# KiCad board R-PCBA-VPEG-PWR.kicad_pcb (continued)
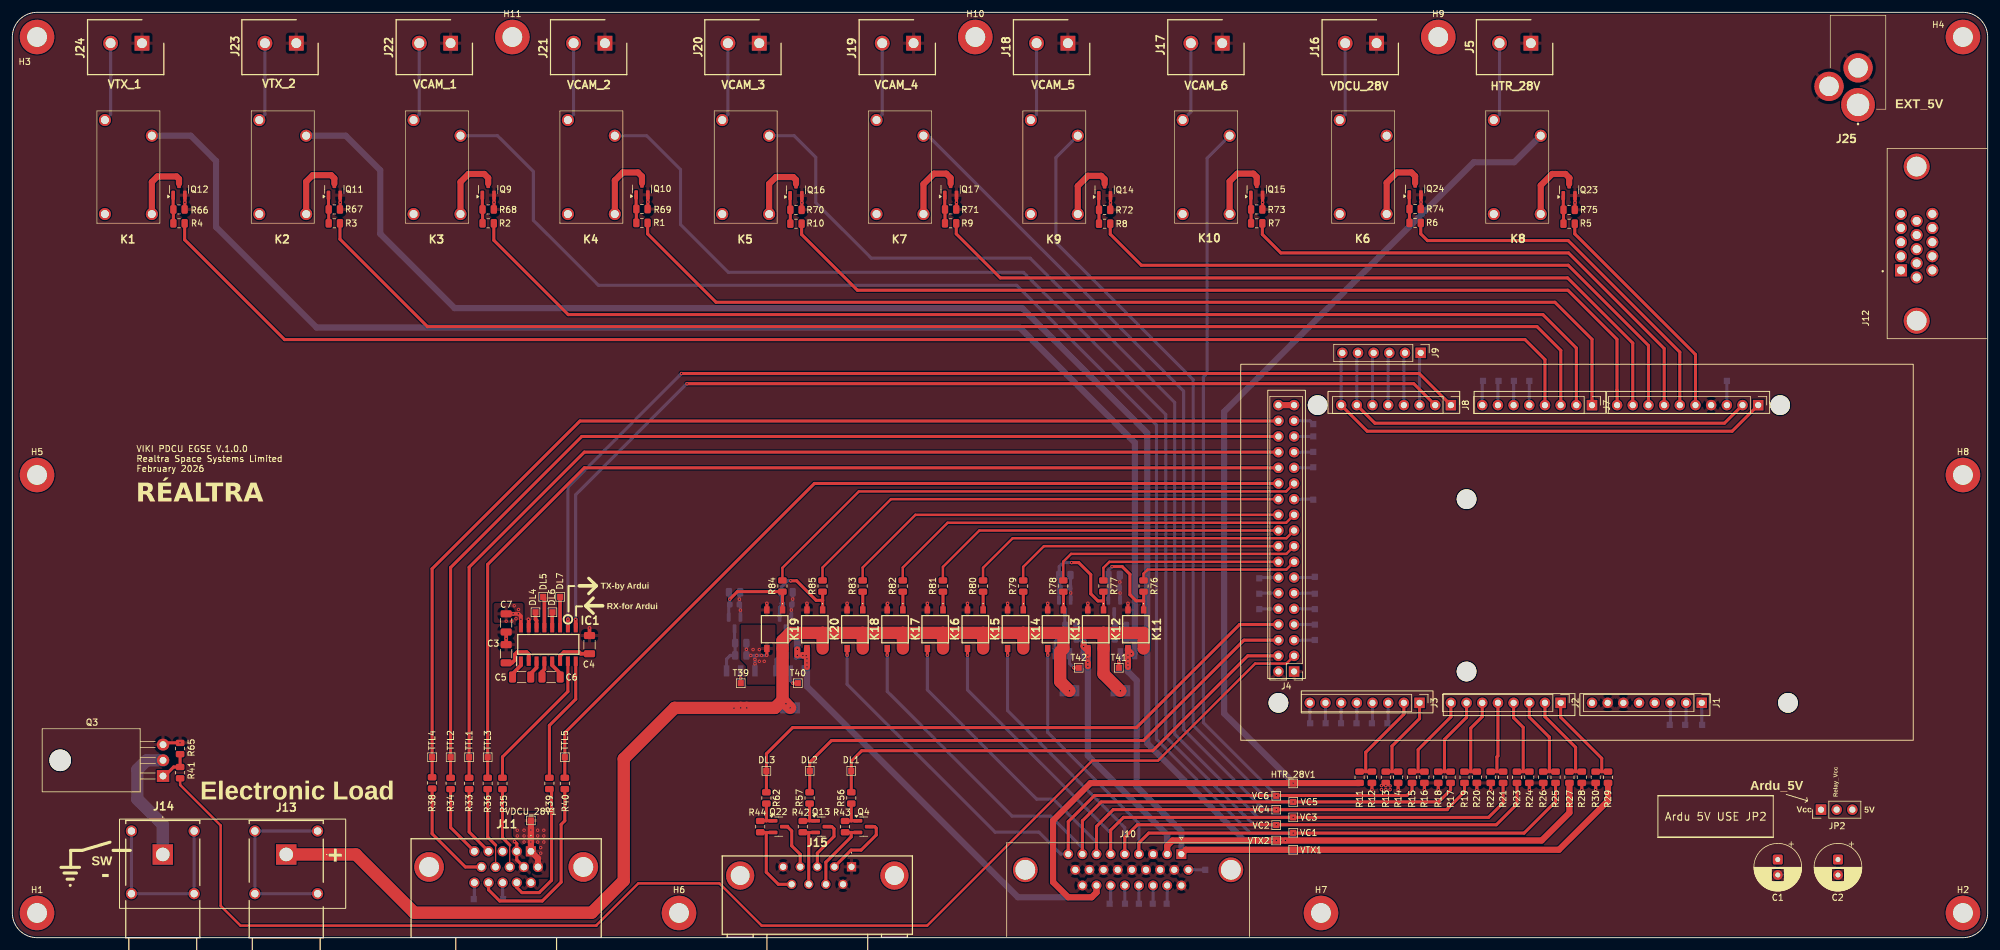
[diagram p0: board, top side]
## Routing (per net, layer and track width the routed paths; a pad name or vN(x,y) marks a point on that pad's centre or on a via; arc(x,y) is an arc through that point) (continued)
K3: length 4.6
  L1 (Sig, GND) w0.5: R2.2 R68.1 76.14,118.09 Q9.1
K4: length 4.6
  L1 (Sig, GND) w0.5: R1.2 R69.1 101.05,118.15 Q10.1
K5: length 4.6
  L1 (Sig, GND) w0.5: Q16.1 126,118.03 R70.1 R10.2
K6: length 4.6
  L1 (Sig, GND) w0.5: R9.2 R71.1 151.05,118.09 Q17.1
K7: length 4.6
  L1 (Sig, GND) w0.5: Q14.1 176,118.03 R72.1 R8.2
K8: length 4.6
  L1 (Sig, GND) w0.5: Q15.1 200.64,118.09 200.68,118.05 200.68,115.8
K9: length 4.6
  L1 (Sig, GND) w0.5: Q24.1 226.3,118.15 R74.1 R6.2
K10: length 4.6
  L1 (Sig, GND) w0.5: Q23.1 251.25,118.03 R75.1 R5.2
K11: length 26.3
  L1 (Sig, GND) w0.4: R76.2 183.25,59 183.92,59.67 206.39,59.67 J4.15
K12: length 30.8
  L1 (Sig, GND) w0.4: R77.2 176.75,59.95 177.73,60.93 J4.16
K13: length 41.5
  L1 (Sig, GND) w0.4: R78.2 170.25,60.95 171.51,62.21 206.39,62.21 J4.17
K14: length 44.9
  L1 (Sig, GND) w0.4: J4.18 167.12,63.47 163.75,60.1 R79.2
K15: length 54.9
  L1 (Sig, GND) w0.4: R80.2 157.25,59.95 162.05,64.75 206.39,64.75 J4.19
K16: length 59
  L1 (Sig, GND) w0.4: R81.2 150.75,60.1 156.65,66 J4.20
K17: length 69
  L1 (Sig, GND) w0.4: 207.64,68.54 206.36,67.26 151.51,67.26 144.25,60 R82.2
K18: length 73
  L1 (Sig, GND) w0.4: 205.11,68.54 146.3,68.54 137.75,60 R83.2
K19: length 90.6
  L1 (Sig, GND) w0.4: R84.2 124.75,59.95 137.14,72.34 206.36,72.34 J4.25
K20: length 80.5
  L1 (Sig, GND) w0.4: R85.2 131.25,60 142.33,71.09 J4.24
Relay_VCC: length 0.4
  L1 (Sig, GND) w1: 295.8,12.71 C2.1
  L3 (PWR) w1: 295.75,20.54 JP2.2 ; 295.8,12.71 C2.1
RS232_RX_IN: length 20.8
  L1 (Sig, GND) w0.5: 87,25.82 87,34.4 91.27,38.67 IC1.8
RS232_TX_OUT: length 23.4
  L1 (Sig, GND) w0.5: IC1.7 90,39.9 79.4,29.3 79.4,25.82
Selector Out: length 219
  L1 (Sig, GND) w2: K15.4 157.27,49.4 ; 157.27,49.4 150.75,49.4 ; 157.27,49.4 163.76,49.4 ; 124.77,38.48 v1(125.32,37.93) v1(126,37.25) ; 124.77,38.48 K19.4 124.77,48.17 126,49.4 131.28,49.4 ; 124.77,38.48 123.54,37.25 v1(118.98,37.25) v1(118,37.25) 107.3,37.25 99.05,29 99.05,9.25 93.85,4.05 65.1,4.05 55.66,13.49 J13.1 ; 150.75,49.4 150.77,49.38 K16.4 ; 150.75,49.4 144.28,49.4 ; 163.76,49.4 163.77,49.39 K14.4 ; 163.76,49.4 170.27,49.4 ; 131.28,49.4 131.27,49.39 K20.4 ; 131.28,49.4 137.77,49.4 ; K11.4 183.27,49.4 176.76,49.4 ; 176.76,49.4 176.77,49.39 K12.4 176.77,42.75 v1(179.5,40.02) ; 176.76,49.4 170.27,49.4 ; K18.4 137.77,49.4 ; 137.77,49.4 144.28,49.4 ; 144.28,49.4 144.27,49.39 K17.4 ; 170.27,49.4 K13.4 169.75,46.35 169.75,41.52 v1(171.25,40.02)
  vias: v1(116.9,37.2)
TTL1: length 173
  L1 (Sig, GND) w0.5: J4.30 92.66,78.71 74,60.05 TTL1.1 R33.1
TTL2: length 177
  L1 (Sig, GND) w0.5: R34.1 TTL2.1 71,60 92.25,81.25 J4.32
TTL3: length 169.3
  L1 (Sig, GND) w0.5: 77,25.82 TTL3.1 77,60.5 92.66,76.16 205.11,76.16
TTL4: length 180.8
  L1 (Sig, GND) w0.5: 205.11,83.78 205.07,83.75 91.95,83.75 68,59.8 TTL4.1 R38.2
TTL5: length 139.7
  L1 (Sig, GND) w0.5: 89.5,25.82 TTL5.1 89.5,33.2 129.93,73.62 J4.26
VCAM_1_28V: length 330.8
  L1 (Sig, GND) w0.5: R25.2 250,22.05 244.9,16.95 v1(207.51,16.95) 184.1,16.95 182.5,15.36 J10.4 ; K13.3 v1(167.73,45.8)
  L4 (Sig, GND) w0.5: v1(207.51,16.95) 200.55,16.95 185.35,32.15 185.35,83.1 162.7,105.75 94.95,105.75 84.4,116.3 84.4,124.2 78.6,130 K3.3 ; v1(167.73,45.8) 167.73,33.27 182.5,18.5 J10.4
VCAM_2_28V: length 302.4
  L1 (Sig, GND) w0.5: R23.2 243.75,21.65 240.4,18.3 v1(204.76,18.3) 182.25,18.3 180.21,16.26 J10.5 ; K14.3 v1(161.23,45.8)
  L4 (Sig, GND) w0.5: J10.5 180.21,17.84 161.23,36.82 v1(161.23,45.8) ; K4.3 102.75,130 108.25,124.5 108.25,115.6 116,107.85 163.8,107.85 186.85,84.8 186.85,32.55 201.1,18.3 v1(204.76,18.3)
VCAM_3_28V: length 281.9
  L1 (Sig, GND) w0.5: K15.3 v1(154.73,45.8) ; R21.2 241.5,21.85 239.15,19.5 v1(207.5,19.5) 180,19.5 177.93,17.43 J10.6
  L4 (Sig, GND) w0.5: J10.6 177.93,16.97 154.73,40.17 v1(154.73,45.8) ; K5.3 126.65,130 130.15,126.5 130.15,119.15 139.15,110.15 164.9,110.15 188.3,86.75 188.3,33 201.8,19.5 v1(207.5,19.5)
VCAM_4_28V: length 248.6
  L1 (Sig, GND) w0.5: 232.5,20.75 v1(204.76,20.75) 178.35,20.75 175.63,18.03 J10.7 ; R19.2 235.25,23.65 232.5,20.9 ; K16.3 v1(148.23,45.8)
  L4 (Sig, GND) w0.5: K7.3 148.35,130 189.75,88.6 189.75,33.75 202.75,20.75 v1(204.76,20.75) ; J10.7 175.63,15.47 168.65,22.45 165.95,22.45 148.23,40.17 v1(148.23,45.8)
VCAM_5_28V: length 246
  L1 (Sig, GND) w0.5: J10.8 173.35,18.94 176.4,22 v1(207.49,22) 231.05,22 233,23.95 R17.2 ; K17.3 v1(141.73,45.8)
  L4 (Sig, GND) w0.5: v1(207.49,22) 203.7,22 191.3,34.4 191.3,90.45 169.05,112.7 169.05,126.45 K9.3 ; v1(141.73,45.8) 141.73,39.92 161.95,19.7 168.2,19.7 173.35,14.56 J10.8
VCAM_6_28V: length 230.9
  L1 (Sig, GND) w0.5: R15.2 226.75,23.85 225.95,23.05 v1(204.76,23.05) 175.3,23.05 171.06,18.81 J10.9 ; K18.3 v1(135.23,45.8)
  L4 (Sig, GND) w0.5: J10.9 169.86,13.54 166.3,17.1 159.2,17.1 135.23,41.07 v1(135.23,45.8) ; K10.3 193.55,126.35 193.55,91.5 192.95,90.9 192.95,34.86 v1(204.76,23.05)
VDCU_28V: length 17.1
  L1 (Sig, GND) w0.5: K19.3 122.23,45.83 v1(122.2,45.8) ; v1(222.5,24.67) R13.2
  L1 (Sig, GND) w1: J11.6 85.15,12.85 J11.1 v1(84.01,15.5) 84.01,16.49 v1(84,16.5) 84.01,16.51 v1(84.01,17.45) 84.01,18.74 84,18.75
  L4 (Sig, GND) w0.5: R109.2 v1(118.91,46.74) R110.2 v1(119.63,45.75) 120.3,45.75 ; 120.3,45.75 Q27.3 ; 120.3,45.75 122.15,45.75 v1(122.2,45.8)
  vias: v1(81.8,17.42) v1(81.8,16.49) v1(82.9,17.42) v1(82.9,16.49) v1(82.9,15.5) v1(85.1,17.42) v1(85.1,16.49) v1(85.1,15.5) v1(85.6,14.6) v1(85.6,13.7) v1(86.1,17.42) v1(86.1,16.49) v1(86.1,15.5) v1(120,46.7) v1(120.3,45.1) v1(120.3,44.4) v1(120.6,45.75) v1(121,46.7) v1(121,44.8) v1(121.4,45.75) v1(121.8,44.8) v1(221.8,24.65) v1(221.8,24) v1(222.5,24) v1(223.2,24.6) v1(223.2,24)
VTX_1_28V: length 338.2
  L1 (Sig, GND) w1: v1(180.73,43.89) v1(180.73,44.5) v1(180.73,45.13) ; 207.8,14.25 250.55,14.25 258.5,22.2 R29.2 ; VTX1.1 190.08,14.25 J10.1 ; v1(181.29,46.02) 180.73,46.58 K11.3 v1(180.73,45.8)
  L4 (Sig, GND) w1: v1(180.73,43.89) 180.73,43.12 182.15,41.7 182.15,24.5 189.38,17.28 J10.1 ; R116.2 R117.2 181.33,48.52 ; 181.33,48.52 181.8,48.05 Q32.3 v1(181.29,46.02) 180.95,46.02 v1(180.73,45.8) v1(180.73,45.13) ; 181.33,48.52 181.37,48.52 181.85,49 181.85,80.25 163.2,98.9 49.3,98.9 33,115.2 33,125.9 28.9,130 K1.3
VTX_2_28V: length 360.4
  L1 (Sig, GND) w1: v1(204.76,15.75) 187.95,15.75 187.08,14.88 J10.2 ; v1(174.23,45.8) K12.3 173.88,46.88 v1(173.55,47.2) 173.55,47.7 ; R27.2 252.25,20.25 247.75,15.75 v1(206.23,15.75) v1(205.5,15.75) VTX2.1 ; v1(174.23,43.99) v1(174.23,44.59)
  L4 (Sig, GND) w1: v1(174.23,43.99) 174.23,29.52 187.08,16.66 J10.2 ; v1(174.23,44.59) v1(174.23,45.2) v1(174.23,45.8) 173.77,45.8 Q34.3 v1(173.55,47.2) v1(173.55,47.89) 173.55,48.05 173.1,48.5 R119.2 R120.2 ; v1(205.5,15.75) v1(204.76,15.75) v1(204.11,15.75) v1(203.52,15.75) 199.6,15.75 183.85,31.5 183.85,81.8 163.6,102.05 71.65,102.05 59.6,114.1 59.6,124.4 54,130 K2.3
Net-(IC1-C1+): length 3.1
  L1 (Sig, GND) w0.6: IC1.1 82.38,44.13 81.03,42.78 C5.1
Net-(IC1-C1-): length 3
  L1 (Sig, GND) w0.6: C5.2 83.97,42.82 84.92,43.77 IC1.3
Net-(IC1-C2+): length 2.7
  L1 (Sig, GND) w0.6: C6.1 85.8,43.1 86.19,43.49 IC1.4
Net-(IC1-C2-): length 3.1
  L1 (Sig, GND) w0.6: C6.2 88.75,42.85 87.46,44.14 IC1.5
Net-(IC1-DIN1): length 5
  L1 (Sig, GND) w0.6: DL7.1 88.73,55.23 IC1.11
Net-(IC1-DOUT1): length 2.6
  L1 (Sig, GND) w0.6: DL4.1 84.75,51.6 84.92,51.43 IC1.14
Net-(IC1-RIN1): length 5.1
  L1 (Sig, GND) w0.6: DL5.1 86.19,55.06 IC1.13
Net-(IC1-ROUT1): length 2.5
  L1 (Sig, GND) w0.6: DL6.1 87.46,52.71 IC1.12
Net-(IC1-VS+): length 6.2
  L1 (Sig, GND) w0.6: C3.1 80.95,44.55 81.4,45 81.4,45.9 81.8,46.3 83.3,46.3 83.65,45.95 IC1.2
Net-(IC1-VS-): length 6
  L1 (Sig, GND) w0.6: C4.1 92.07,46.03 91.8,46.3 89.35,46.3 88.73,45.68 IC1.6
Net-(J1-Pin_1): length 3.6
  L4 (Sig, GND) w0.5: J1.1 273.69,34.56 T15.1
Net-(J4-Pin_10): length 3.1
  L4 (Sig, GND) w0.5: T33.1 202.06,53.31 J4.10
Net-(J4-Pin_12): length 3.1
  L4 (Sig, GND) w0.5: J4.12 202.1,55.84 T34.1
Net-(J4-Pin_14): length 3.2
  L4 (Sig, GND) w0.5: T35.1 202.13,58.38 205.11,58.38
Net-(J4-Pin_33): length 3.3
  L4 (Sig, GND) w0.5: 207.64,83.78 210.21,83.78 T13.1
Net-(J7-Pin_5): length 3.9
  L4 (Sig, GND) w0.5: T11.1 245.75,90.25 J7.5
Net-(J7-Pin_6): length 3.9
  L4 (Sig, GND) w0.5: J7.6 243.2,90.21 T12.1
Net-(J10-Pin_10): length 2.7
  L4 (Sig, GND) w0.5: J10.10 T6.1
Net-(J10-Pin_20): length 3
  L4 (Sig, GND) w0.5: J10.20 187.08,5.59 T5.1
Net-(J10-Pin_21): length 3
  L4 (Sig, GND) w0.5: T4.1 184.8,5.54 J10.21
Net-(J10-Pin_22): length 3
  L4 (Sig, GND) w0.5: J10.22 182.5,5.5 T3.1
Net-(J10-Pin_23): length 3
  L4 (Sig, GND) w0.5: T2.1 180.21,5.53 J10.23
Net-(J10-Pin_24): length 3
  L4 (Sig, GND) w0.5: T1.1 177.93,5.68 J10.24
Net-(J11-Pad4): length 11.4
  L1 (Sig, GND) w0.5: J11.4 74,17.14 R33.2
Net-(J11-Pad5): length 11.7
  L1 (Sig, GND) w0.5: J11.5 71,17.85 R34.2
Net-(J11-Pad8): length 13
  L1 (Sig, GND) w0.2: 80.6,15 80.57,14.97 J11.8
  L1 (Sig, GND) w0.5: 80.6,15 79.4,16.2 79.4,24
Net-(J11-Pad9): length 13.1
  L1 (Sig, GND) w0.2: 78.3,15 78.28,14.98 J11.9
  L1 (Sig, GND) w0.5: 78.3,15 77,16.3 77,24
Net-(J11-Pad10): length 17.6
  L1 (Sig, GND) w0.5: R38.1 68,16.85 73.39,11.46 J11.10
Net-(J11-Pad12): length 22.5
  L1 (Sig, GND) w0.5: R39.1 87,24 87.35,23.65 87.35,9.3 85.35,7.3 82.55,7.3 81.72,8.13 J11.12
Net-(J11-Pad13): length 2.7
  L4 (Sig, GND) w0.5: J11.13 79.43,6.32 T9.1
Net-(J11-Pad14): length 30.2
  L1 (Sig, GND) w0.5: 89.5,24 89.5,18.95 88.9,18.35 88.9,9 85.85,5.95 78.95,5.95 77.14,7.76 J11.14
Net-(J11-Pad15): length 2.7
  L4 (Sig, GND) w0.5: T10.1 74.85,6.35 J11.15
Net-(J13-Pad2): length 30.5
  L4 (Sig, GND) w0.5: J13.3 J13.4 J13.5 J13.2
Net-(J14-Pad2): length 30.5
  L4 (Sig, GND) w0.5: J14.4 J14.3 J14.2 J14.5
Net-(K13-A): length 3
  L1 (Sig, GND) w0.5: R78.1 170.27,56.07 K13.1
Net-(K14-A): length 3
  L1 (Sig, GND) w0.5: R79.1 163.77,56.07 K14.1
Net-(K15-A): length 3
  L1 (Sig, GND) w0.5: R80.1 157.27,56.07 K15.1
Net-(K16-A): length 3
  L1 (Sig, GND) w0.5: R81.1 150.77,56.07 K16.1
Net-(K17-A): length 3
  L1 (Sig, GND) w0.5: K17.1 144.27,56.07 R82.1
Net-(K18-A): length 3
  L1 (Sig, GND) w0.5: K18.1 137.77,56.07 R83.1
Net-(Q3-D): length 20.2
  L4 (Sig, GND) w2: Q3.2 21.75,28.75 20.25,27.25 20.25,22.45 24.37,18.33 J14.1
Net-(Q3-G): length 5.5
  L1 (Sig, GND) w0.5: R65.1 R41.2 26.13,27.66 24.68,26.21 Q3.1
Net-(Q4-G): length 4.9
  L1 (Sig, GND) w0.5: 135.92,18.95 134.94,18.95 R43.1 ; 135.92,18.95 135.9,18.96 R56.1 ; 135.92,18.95 Q4.1
Net-(Q13-G): length 4.9
  L1 (Sig, GND) w0.5: R42.1 128.09,18.95 129.17,18.95 ; R57.1 129.15,18.96 129.17,18.95 ; 129.17,18.95 Q13.1
Net-(Q22-G): length 4.9
  L1 (Sig, GND) w0.5: R44.1 121.19,18.95 122.15,18.95 ; 122.15,18.95 Q22.1 ; 122.15,18.95 R62.2
Net-(Q27-D_1): length 2
  L1 (Sig, GND) w0.5: T39.1 v1(118,42.05)
  L4 (Sig, GND) w0.5: Q27.2 v1(118,42.05)
Net-(Q27-G): length 7.9
  L4 (Sig, GND) w0.5: Q28.3 117,47.84 R109.1 R110.1 116.3,45.75 115.7,45.15 Q27.1
Net-(Q29-D): length 8.1
  L4 (Sig, GND) w0.5: Q29.3 125.25,47.84 R114.1 R113.1 124.35,45.75 123.7,45.1 Q30.1
Net-(Q30-D_1): length 3
  L1 (Sig, GND) w0.5: T40.1 v1(126.45,41.25)
  L4 (Sig, GND) w0.5: Q30.2 126,41.7 v1(126.45,41.25)
Net-(Q31-D): length 7.9
  L4 (Sig, GND) w0.5: Q31.3 178.5,50.61 R116.1 R117.1 177.72,48.52 177.2,48 Q32.1
Net-(Q32-D_1): length 2.4
  L1 (Sig, GND) w0.5: T41.1 v1(179.25,44.8)
  L4 (Sig, GND) w0.5: Q32.2 179.5,45.05 v1(179.25,44.8)
Net-(Q33-D): length 8.2
  L4 (Sig, GND) w0.5: Q33.3 170.5,50.61 R120.1 R119.1 169.45,48.5 168.95,48 Q34.1
Net-(Q34-D_1): length 3.4
  L1 (Sig, GND) w0.5: T42.1 v1(171.95,43.75)
  L4 (Sig, GND) w0.5: v1(171.95,43.75) 171.25,44.45 Q34.2

## Copper pours and planes (outline as drawn; the poured copper is in the pictures)
GND on L1 (Sig, GND): 0,150 0,0 320.1,0 320,150
GND on L4 (Sig, GND): 0,150 0,0 320,0 320,150
GND on L2 (GND): 0,150 0,0 320,0 320,150
/Project Architecture/Section A - Connectors/EXT_5V on L3 (PWR): 319.9,149.9 270.1,149.9 270,120 297,93 297,18 305,10 305,0.1 319.9,0.1
Ardu_5V on L1 (Sig, GND), L4 (Sig, GND): 77.97,54.04 77.97,51.24 78.17,51.04 80.98,51.04 81.98,50.04 82.78,50.04 82.78,54.04 82.58,54.24 78.17,54.24
Ardu_5V on L3 (PWR): 259,17 211.5,64.4 117.5,64.4 102.3,49.2 102.3,35.8 89.1,22.6 12.96,22.6 13,100.28 226.4,99.9 294.3,32 294.3,17
HTR_28V on L1 (Sig, GND): 127.1,46.3 127.1,45.25 128.2,45.25 128.2,46.3
Relay_VCC on L3 (PWR): 270.03,127.77 270,120 297,93 297,18 305,10 305,0.1 259,0.1 259,17 294.3,17 294.3,32 226.4,99.9 13,100.28 13,127.68
VDCU_28V on L1 (Sig, GND): 86.74,9.73 84.6,9.73 83.6,10.9 83.6,12.5 83,13.1 83,14.6 81.1,16.5 81.1,20.3 87,20.3 87.04,9.93
VDCU_28V on L1 (Sig, GND): 221.7,25 223.2,25 223.5,24.7 223.5,23.9 223.3,23.7 221.7,23.7 221.5,23.9 221.5,24.8
VDCU_28V on L1 (Sig, GND), L4 (Sig, GND): 118.01,45.09 118.01,50.73 123.61,50.73 123.61,41.01 119,41.01 119.02,44.08
VDCU_28V on L4 (Sig, GND): 221.4,25 221.4,23.6 223.6,23.6 223.6,25
VDCU_28V on L4 (Sig, GND): 81.1,16.5 83,14.6 83,13.1 83.6,12.5 83.6,10.9 84.6,9.7 87,9.7 87,20.3 81.1,20.3
VDCU_28V on L3 (PWR): 259,17 211.5,64.4 117.5,64.4 102.3,49.2 102.3,35.8 89.1,22.6 12.96,22.6 13,127.68 270.03,127.77 270.1,149.9 0.09,149.9 0.1,0.1 259,0.1
VTX_1_28V on L1 (Sig, GND): 180.23,46.3 180.23,44.6 181.23,44.6 181.23,46.3
VTX_1_28V on L4 (Sig, GND): 180.23,45.3 180.23,43.6 181.23,43.6 181.23,45.3
VTX_2_28V on L1 (Sig, GND): 173.73,45.8 173.73,44.58 174.73,44.58 174.73,45.8
VTX_2_28V on L4 (Sig, GND): 173.73,44.91 173.73,43.69 174.73,43.69 174.73,44.91

## Text on the board
B.Silkscreen: VIKI PDCU EGSE V.1.0.0 / Realtra Space Systems Limited / February 2026 | RÉALTRA
TitlePage: Top View | Bottom View
F.Silkscreen: VIKI PDCU EGSE V.1.0.0 / Realtra Space Systems Limited / February 2026 | VTX_1 | VTX_2 | VCAM_1 | VCAM_2 | VCAM_3 | VCAM_4 | VCAM_5 | VCAM_6 | VDCU_28V | HTR_28V | Relay_Vcc | TX-by Ardui | RX-for Ardui | Vcc | 5V | SW | Ardu_5V | EXT_5V | - | + | Electronic Load | RÉALTRA
DrillMap: Drill Table
F.AssemblyText: ${ASSEMBLY_NOTES} | Components
F.Dimensions: ${FABRICATION_NOTES} | All dimensions are in millimeters unless otherwise specified. | Layer Stack Legend | Impedance Table
B.Dimensions: All dimensions are in millimeters unless otherwise specified.
F.TestPointList: Y | X | All dimensions are in millimeters unless otherwise specified.
B.TestPointList: Y | X | All dimensions are in millimeters unless otherwise specified.
